# Altium PCB LST_UP.PcbDoc (part 4 of 5) (continued)
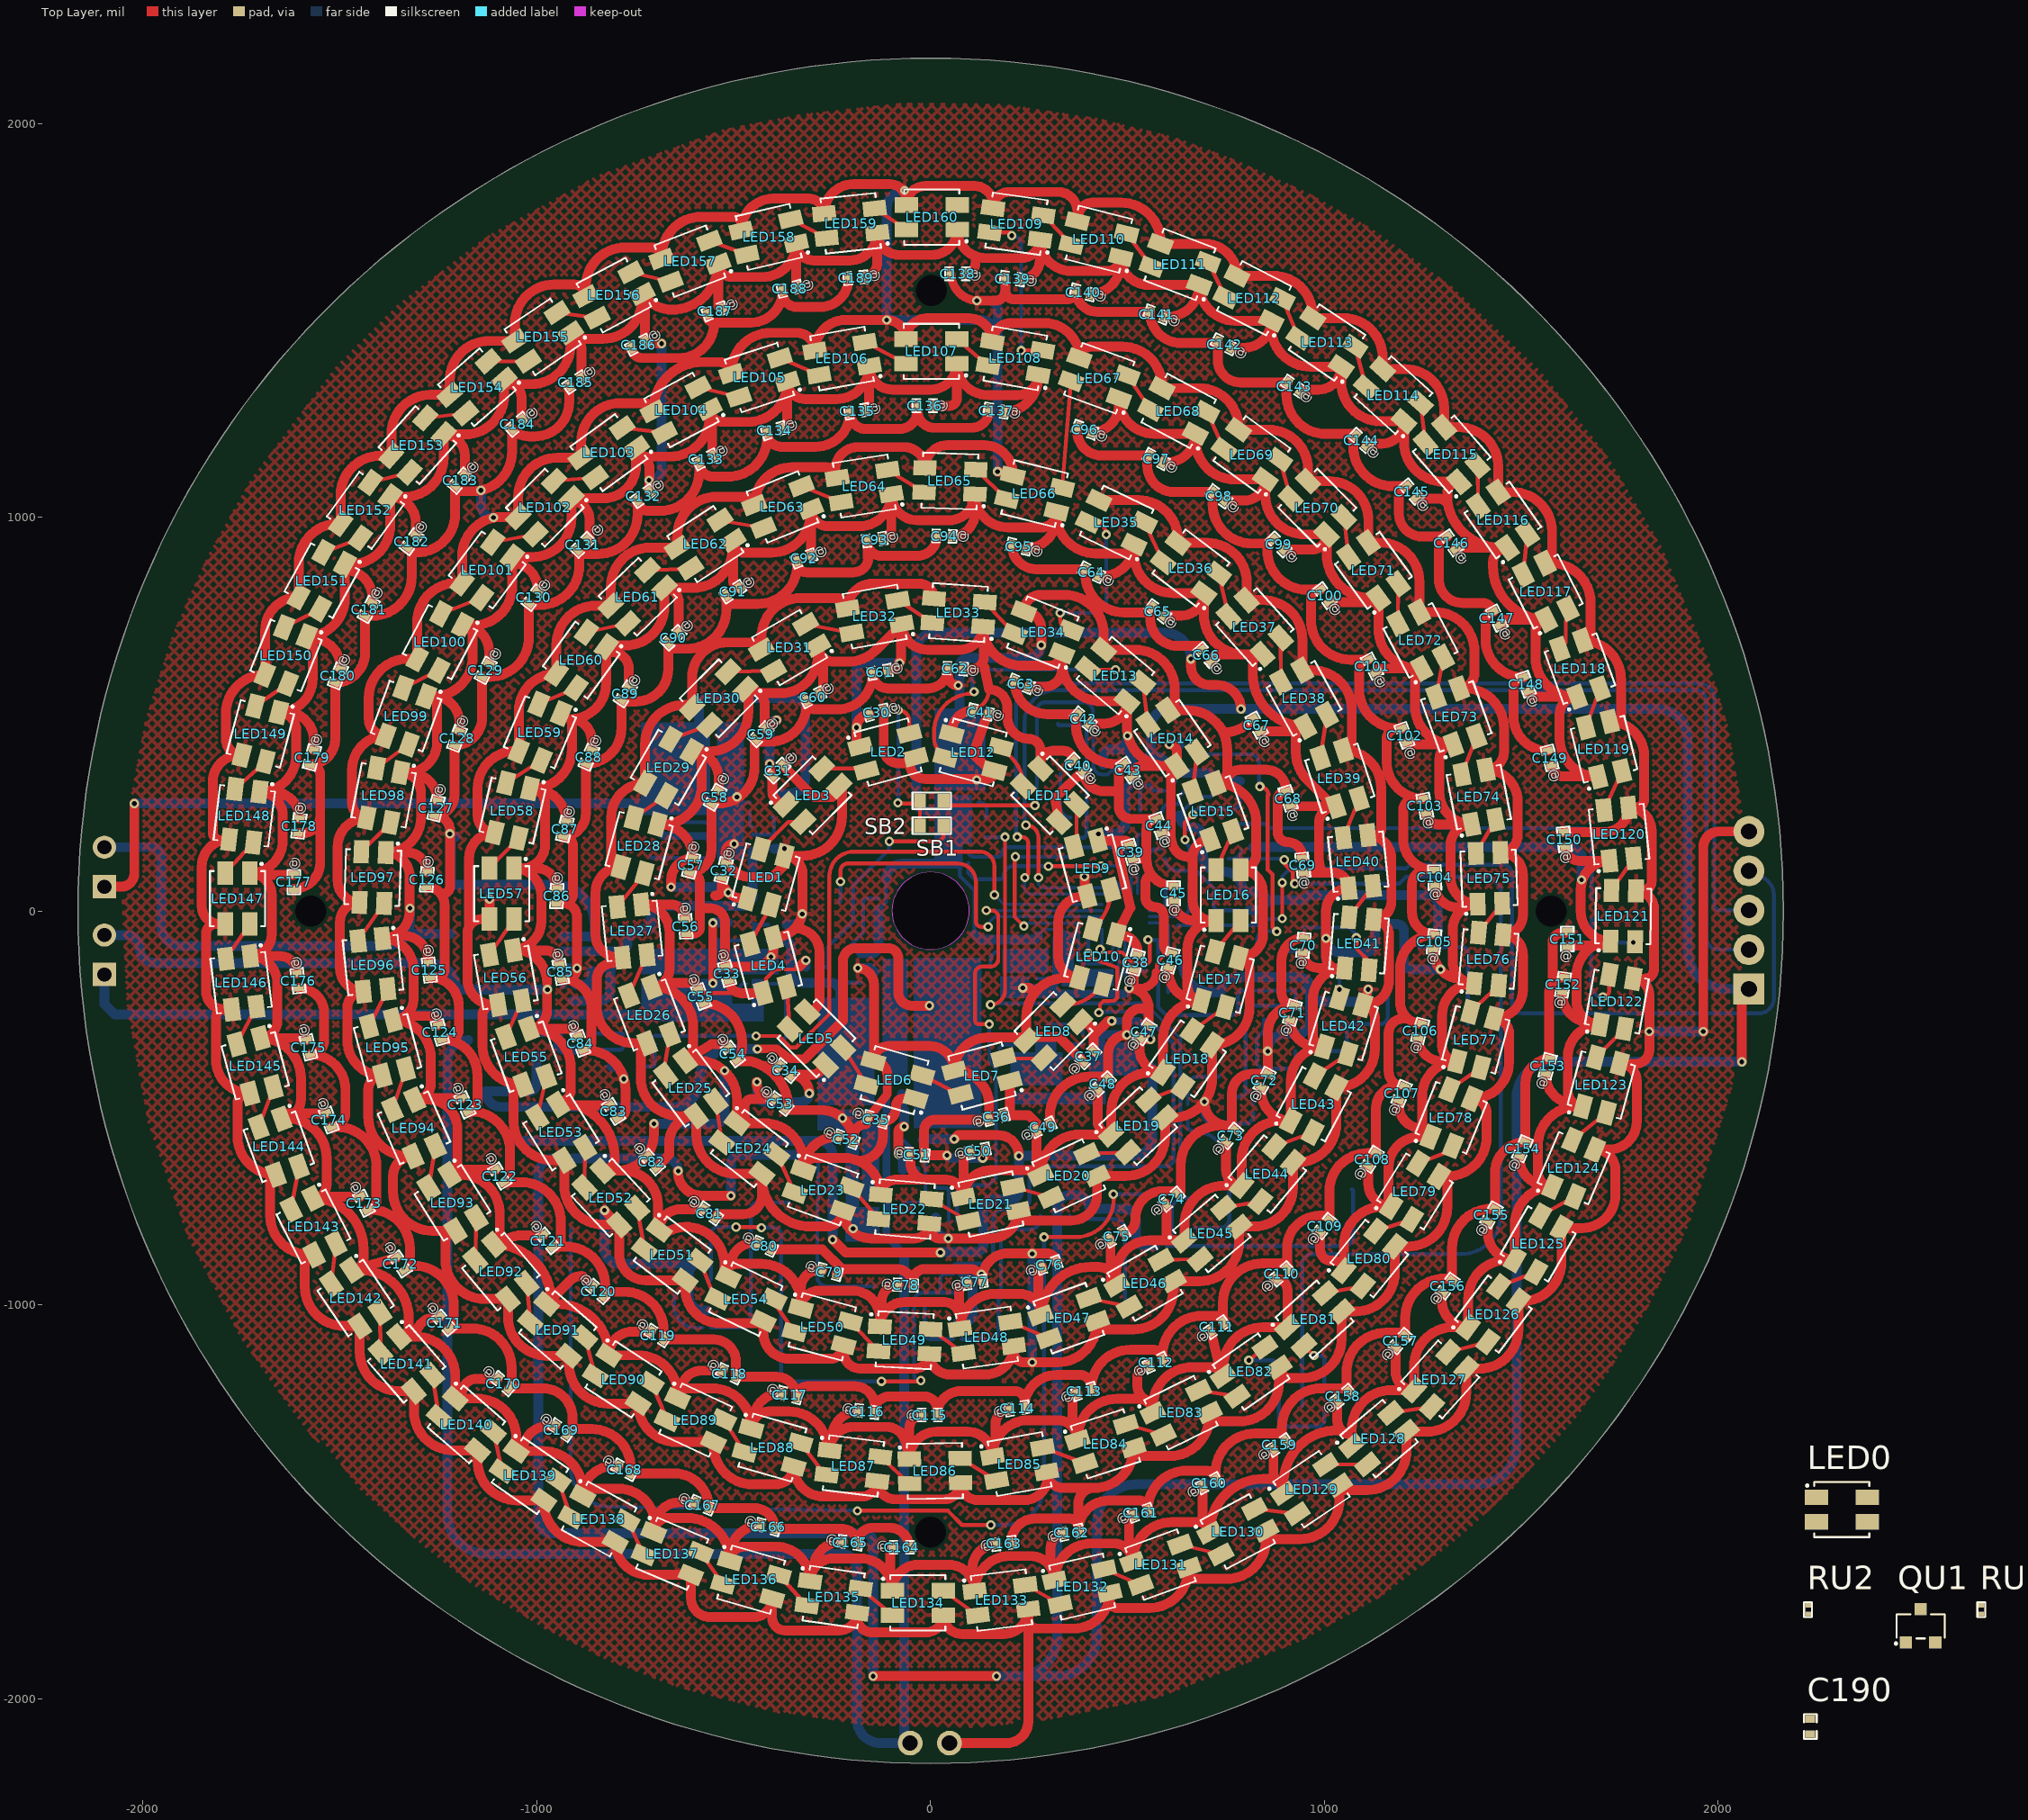
[diagram p0: Top Layer view]
## Nets (pads, with @x,y where several pads share a name; then routed paths per layer and width w, separated by ;. In a path a pad name is that pad's centre, name@x,y a point inside that pad or via, vN(x,y) a via of type N, cw(c..) or ccw(c..) an arc to the next point about the centre after c; other vN are vias at no path point) (continued)
  Bottom Layer w20: v1(460,-279) 528,-279 558.39,-309.39 v1(558.39,-325.61)
  Bottom Layer w25: SB6.2@-2098,-60.61 -2041,-60.61 cw(c-2041,-92.61) -2009,-92.61 ccw(c-1970,-92.61) -1970,-131.61 -1272,-131.61 cw(c-1272,-199.61) P1.1@-1204,-199.61 -973,-199.61 v2(-973,-199) ; v2(-702.59,-539.69) -546.69,-539.69 ccw(c-546.69,-516) -523,-516 v2(-523,-405) ; v1(-659,61.39) -528.39,61.39 v2(-514,47) ; v1(-441,-433.61) -441,-461.61 ccw(c-418,-461.61) -418,-484.61 -330,-484.61 ccw(c-330,-462.61) v1(-308,-462.61) ; v1(-409,374) -409,467.39 cw(c-391,467.39) v1(-391,485.39) ; R5.1@-316.83,-141.61 v1@-316.83,-130.17 ; v1(-188,466.47) -188,610.39 cw(c-168.11,610.39) -168.11,630.28 v1(-78.78,630.28) ; v1(426,196.39) 474,196.39 494,216.39 494,308.01 511.31,325.32 511.31,387.09 ccw(c487.01,387.09) 487.01,411.39 466,411.39 ccw(c466,445.39) v1(500,445.39) ; R1.1@438,372.39 438,389.39 ; 438,391.39 438,389.39 ; 460,411.39 ccw(c460,389.39) 438,389.39 ; v1(606,423.39) 634,423.39 ; v1(1004,-69.15) ccw(c1039.46,-69.15) 1039.46,-104.61 1103,-104.61 ccw(c1103,-79.61) 1128,-79.61 1128,-53.61 cw(c1149,-53.61) 1149,-32.61 1183,-32.61 cw(c1183,-51.61) 1202,-51.61 1202,-127.61 ccw(c1222,-127.61) 1222,-147.61 v1(1295,-147.61)
VCC_L2: C110.2 C111.2 C112.2 C113.2 C114.2 C115.2 C116.2 C117.2 C118.2 C119.2 C120.2 C121.2 C122.2 C123.2 C124.2 C125.2 C126.2 C127.2 C128.2 C129.2 C130.2 C131.2 C132.2 C133.2 C134.2 C135.2 C136.2 C137.2 C138.2 C139.2 C140.2 C141.2 C142.2 C143.2 C144.2 C145.2 C146.2 C147.2 C148.2 C149.2 C150.2 C151.2 C152.2 C153.2 C154.2 C155.2 C156.2 C157.2 C158.2 C159.2 C160.2 C161.2 C162.2 C163.2 C164.2 C165.2 C166.2 C167.2 C168.2 C169.2 C170.2 C171.2 C172.2 C173.2 C174.2 C175.2 C176.2 C177.2 C178.2 C179.2 C180.2 C181.2 C182.2 C183.2 C184.2 C185.2 C186.2 C187.2 C188.2 C189.2 LED81.1 LED82.1 LED83.1 LED84.1 LED85.1 LED86.1 LED87.1 LED88.1 LED89.1 LED90.1 LED91.1 LED92.1 LED93.1 LED94.1 LED95.1 LED96.1 LED97.1 LED98.1 LED99.1 LED100.1 LED101.1 LED102.1 LED103.1 LED104.1 LED105.1 LED106.1 LED107.1 LED108.1 LED109.1 LED110.1 LED111.1 LED112.1 LED113.1 LED114.1 LED115.1 LED116.1 LED117.1 LED118.1 LED119.1 LED120.1 LED121.1 LED122.1 LED123.1 LED124.1 LED125.1 LED126.1 LED127.1 LED128.1 LED129.1 LED130.1 LED131.1 LED132.1 LED133.1 LED134.1 LED135.1 LED136.1 LED137.1 LED138.1 LED139.1 LED140.1 LED141.1 LED142.1 LED143.1 LED144.1 LED145.1 LED146.1 LED147.1 LED148.1 LED149.1 LED150.1 LED151.1 LED152.1 LED153.1 LED154.1 LED155.1 LED156.1 LED157.1 LED158.1 LED159.1 LED160.1 P2.1 R7.1 R9.1 SB5.2 | length 32792.8
  Top Layer w25: LED149.1@-1655.25,504.71 cw(c-1655.25,460.46) -1611,460.46 -1611,395.95 cw(c-1704.26,395.95) LED148.1@-1704.26,302.68 ; C177.2@-1617,92.39 -1707.94,92.39 ; C176.2@-1608.51,-158.25 ccw(c-1653.02,-158.25) -1653.02,-113.73 LED146.1@-1728,-113.73 ; C178.2@-1601.75,234.75 ccw(c-1669.68,234.75) -1669.68,302.68 LED148.1@-1704.26,302.68 ; C175.2@-1584.16,-327.58 ccw(c-1589.55,-327.58) -1589.55,-322.19 LED145.1@-1701.67,-322.19 ; C179.2@-1566.21,408.26 -1566.21,434.79 ccw(c-1637.89,434.79) -1637.89,506.47 ccw(c-1655.25,590.95) -1569,590.95 -1569,682.63 ccw(c-1583.98,682.63) LED150.1@-1573.7,693.52 ; C174.2@-1534.33,-513.23 -1614.01,-513.23 ; C180.2@-1498.07,614.54 -1498.07,617.89 ccw(c-1573.7,617.89) LED150.1@-1573.7,693.52 ; C173.2@-1447.4,-725.13 LED143.1@-1552.13,-725.13 ; C181.2@-1418.03,782.57 -1418.03,796.93 ccw(c-1487.49,796.93) LED151.1@-1487.49,866.39 ; C172.2@-1357.08,-880.1 LED142.1@-1454.72,-907.34 ; v1@-1323.09,-0.42 cw(c-1391.82,-0.42) -1360.58,-61.64 ; v1@-1323.09,7.39 -1323.09,88.78 ccw(c-1383.31,88.78) LED97.1@-1383.31,149 ; C182.2@-1307.13,953.36 -1307.13,986.89 ccw(c-1372.1,986.89) LED152.1@-1372.1,1051.86 ; C126.2@-1278.03,98.86 ccw(c-1328.17,98.86) -1328.17,149 LED97.1@-1383.31,149 ; C125.2@-1275,-127.61 ccw(c-1340.97,-127.61) -1340.97,-61.64 -1360.58,-61.64 ; C127.2@-1251.84,279.42 ccw(c-1324.26,279.42) -1324.26,351.84 LED98.1@-1330.55,351.84 ; C124.2@-1250.93,-289.74 ccw(c-1274.53,-289.74) -1274.53,-266.13 -1334.71,-266.13 ; C171.2@-1247.14,-1031.63 -1258.35,-1031.63 ccw(c-1258.35,-1080.48) -1307.19,-1080.48 ; LED140.1@-1207.19,-1224.61 -1207.19,-1180.48 ccw(c-1307.19,-1180.48) -1307.19,-1080.48 ; C128.2@-1196.35,456.16 -1196.35,478.77 ccw(c-1263,478.77) LED99.1@-1263,545.42 ; LED140.1@-1190,-1237.66 -1152.05,-1237.66 cw(c-1152.05,-1337.66) -1052.05,-1337.66 LED139.1@-1052.05,-1371.1 LED139.1@-1035,-1371.1 ; -1190,-1224.61 cw(c-1152.86,-1224.61) -1152.86,-1187.47 C170.2@-1098.96,-1187.47 ; C123.2@-1190,-474.82 LED94.1@-1292.79,-474.82 ; C183.2@-1182.62,1107.14 -1182.62,1156.5 ccw(c-1236.68,1156.5) LED153.1@-1236.68,1210.56 ; C129.2@-1121.31,627.72 -1121.31,658.89 ccw(c-1188.23,658.89) LED100.1@-1188.23,725.8 ; LED92.1@-1110,-846.05 cw(c-1110,-993.28) LED91.1@-962.98,-985.45 ; C122.2@-1103.8,-656.82 -1203.39,-656.82 ; C184.2@-1039.04,1248.53 -1039.04,1305.45 ccw(c-1071.98,1305.45) LED154.1@-1071.98,1338.39 ; C130.2@-997.87,819.01 ccw(c-1062.3,819.01) LED101.1@-1062.3,883.45 ; C121.2@-983.78,-823.27 -1039,-823.27 ccw(c-1039,-901.05) -1094,-846.05 -1094,-769.37 ccw(c-1194,-769.37) -1194,-669.37 LED93.1@-1221.84,-669.37 cw(c-1209.29,-669.37) -1209.29,-656.82 -1203.39,-656.82 ; LED91.1@-975.19,-997.66 LED91.1@-962.98,-985.45 ; C169.2@-953.15,-1307 -970.9,-1307 ccw(c-970.9,-1371.1) LED139.1@-1035,-1371.1 ; LED91.1@-947.48,-997.66 cw(c-947.48,-1127.93) LED90.1@-817.21,-1127.93 ; LED102.1@-912.01,1048.4 -831.19,1048.4 ccw(c-831.19,1131.59) -748,1131.59 LED103.1@-748,1158.39 ; -899,1453.39 -832.39,1453.39 ccw(c-832.39,1553.39) -732.39,1553.39 LED156.1@-732.39,1567.24 cw(c-732.39,1560.52) LED156.1@-725.67,1560.52 ; C185.2@-886.66,1353.73 -886.66,1425.97 ccw(c-914.08,1425.97) -914.08,1453.39 -914.08,1438.39 cw(c-1014.08,1438.39) -1014.08,1338.39 LED154.1@-1071.98,1338.39 ; C131.2@-866,946.39 -866,995.08 ccw(c-912.01,995.08) -912.01,1041.09 -912.01,999.24 cw(c-1012.01,999.24) -1012.01,899.24 LED101.1@-1062.3,899.24 LED101.1@-1062.3,883.45 ; C120.2@-861.91,-948.52 -881.58,-928.86 ccw(c-887,-934.28) -887,-926.61 ccw(c-887,-967.98) -916.25,-938.73 LED91.1@-962.98,-985.45 ; C168.2@-793.18,-1409.64 -807.93,-1409.64 ccw(c-807.93,-1485.11) LED138.1@-883.39,-1485.11 ; -757.81,-1067.53 C119.2@-709.52,-1067.53 ; -756.81,-1067.53 ccw(c-756.81,-1127.93) LED90.1@-817.21,-1127.93 ; C132.2@-714.03,1065.26 -714.03,1124.42 ccw(c-748,1124.42) LED103.1@-748,1158.39 ; v1(-683,1441.39) -719.98,1441.39 cw(c-719.98,1447.07) C186.2@-725.67,1447.07 LED156.1@-725.67,1560.52 ; C167.2@-597.03,-1501.38 -638.92,-1501.38 ccw(c-638.92,-1562.43) LED137.1@-699.98,-1562.43 ; C133.2@-554.52,1155.79 -554.52,1255.13 ; C187.2@-530.73,1530.02 cw(c-530.73,1538.87) -539.58,1538.87 LED157.1@-539.58,1644.49 ; C118.2@-527.77,-1166.79 -582.33,-1166.79 ccw(c-582.33,-1217.02) -632.56,-1217.02 ; C166.2@-430.78,-1558.51 ccw(c-430.78,-1637.22) -509.49,-1637.22 LED136.1@-509.49,-1649.92 ; C134.2@-379.74,1226.11 ccw(c-379.74,1242.07) -363.78,1242.07 LED105.1@-363.78,1342.39 ; C117.2@-375.78,-1223.51 -379.19,-1223.51 ccw(c-379.19,-1294.78) -450.47,-1294.78 ; C188.2@-339.7,1584.87 cw(c-339.7,1586.26) -341.09,1586.26 LED158.1@-341.09,1696.61 ; LED87.1@-260.42,-1369.87 ccw(c-359.68,-1369.87) -359.68,-1270.61 -411.23,-1270.61 ccw(c-411.23,-1314.54) -450.47,-1294.78 ; LED87.1@-256.3,-1369.87 cw(c-196.03,-1369.87) -250.36,-1343.8 ; C165.2@-222.9,-1601.04 -226.13,-1601.04 ccw(c-226.13,-1673.01) -298.1,-1673.01 ; C116.2@-180.36,-1268.36 ccw(c-180.36,-1338.36) -250.36,-1338.36 -250.36,-1343.8 ; C189.2@-171.6,1610.32 ccw(c-171.6,1646.39) -135.54,1646.39 LED159.1@-135.54,1722.71 ; C135.2@-168.78,1272.6 ccw(c-168.78,1285.37) -156.01,1285.37 LED106.1@-156.01,1383.97 ; C164.2@-91.5,-1615.61 ccw(c-91.5,-1626.31) -102.2,-1626.31 -102.2,-1697.06 ; C115.2@-20.5,-1279.61 ccw(c-20.5,-1313.21) -54.1,-1313.21 LED86.1@-54.1,-1391.64 ; C136.2@3.5,1283.39 48.13,1283.39 ccw(c48.13,1301.82) 66.57,1301.82 LED107.1@66.57,1390.29 ; C138.2@86.5,1618.39 ccw(c86.5,1645.89) 114,1645.89 114,1659.39 ; C163.2@167.64,-1607.87 ccw(c167.64,-1669.49) 106.01,-1669.49 106.01,-1698.65 ; C137.2@185,1267.54 ccw(c185,1355.72) 273.19,1355.72 LED108.1@273.19,1362.55 cw(c221.03,1362.55) 221.03,1310.39 146.46,1310.39 cw(c146.46,1390.29) LED107.1@66.57,1390.29 ; C114.2@201.78,-1265.82 ccw(c201.78,-1303.05) 164.55,-1303.05 164.55,-1348.3 ; C139.2@226.32,1603.81 ccw(c226.32,1655.1) 277.61,1655.1 LED109.1@277.61,1705.6 ; C162.2@338.97,-1581.91 ccw(c338.97,-1616.25) 304.64,-1616.25 304.64,-1665.18 ; C113.2@372.41,-1225.33 ccw(c372.41,-1237.69) 360.04,-1237.69 360.04,-1309.27 ; C140.2@404.95,1566.91 ccw(c404.95,1644.69) 482.73,1644.69 LED110.1@482.73,1660.59 ; C161.2@516.62,-1533.94 ccw(c516.62,-1546.76) 503.8,-1546.76 503.8,-1625.19 ; C112.2@555.37,-1154.72 ccw(c555.37,-1185.09) 525,-1185.09 525,-1205.39 ccw(c565.12,-1205.39) 565.12,-1245.51 ; C141.2@591.27,1508.76 600.68,1508.76 ccw(c600.68,1590.21) LED111.1@682.13,1590.21 ; C160.2@690.67,-1461.3 690.67,-1550.8 ccw(c695.22,-1550.8) 691.6,-1553.57 ; C111.2@711.85,-1066.82 LED82.1@736.92,-1170.62 ; C142.2@770,1430.99 796.6,1430.99 ccw(c796.6,1499.39) LED112.1@865,1499.39 ; C159.2@870.66,-1365.96 870.66,-1427.56 ccw(c896.29,-1427.56) 896.29,-1453.19 ; C110.2@877.5,-933.37 cw(c877.5,-962.07) 906.21,-962.07 LED81.1@906.21,-1056.7 843.27,-1056.7 ccw(c843.27,-1156.7) 743.27,-1156.7 739.47,-1156.7 739.47,-1181.17 LED82.1@736.92,-1170.62 ; C143.2@943.9,1324.04 984.19,1324.04 ccw(c984.19,1382.5) LED113.1@1042.64,1382.5 ; 1032.83,-1293.89 C158.2@1032.83,-1244.5 ; 1032.83,-1292.89 ccw(c1069.55,-1292.89) 1047.94,-1322.58 ; C144.2@1106.75,1187.01 1145.11,1187.01 ccw(c1145.11,1244.07) LED114.1@1202.17,1244.07 ; C157.2@1180.62,-1105.36 1180.62,-1169.29 ccw(c1227.68,-1169.29) LED127.1@1227.68,-1216.36 ; C145.2@1233.14,1047.73 1288.29,1047.73 cw(c1288.29,1018.7) 1312,1035.46 cw(c1288.29,1018.7) 1313.72,1032.72 ; C156.2@1297.87,-971.61 1297.87,-988.77 ccw(c1365.3,-988.77) LED126.1@1365.3,-1056.21 ; C146.2@1332.61,919.5 cw(c1335.77,919.5) 1335.77,922.66 LED116.1@1448.23,922.66 ; 1414.75,-817.53 C155.2@1414.75,-788.63 ; 1414.75,-816.53 ccw(c1483.56,-816.53) LED125.1@1483.56,-885.34 ; C147.2@1446,727.39 1458.76,740.15 LED117.1@1563.57,740.15 ; C154.2@1495.77,-629.12 C154.2@1495.77,-621.64 ; C154.2@1495.77,-628.12 ccw(c1564.56,-628.12) LED124.1@1564.56,-696.91 ; C148.2@1518.33,559.01 ccw(c1532.91,559.01) 1532.91,544.42 LED118.1@1636,544.42 ; C153.2@1562.21,-411.48 1562.21,-416.74 ccw(c1634.87,-416.74) 1634.87,-489.39 ; C149.2@1576.48,371.23 ccw(c1605.6,371.23) 1605.6,342.11 LED119.1@1682.23,342.11 ; C152.2@1603.43,-209.39 C152.2@1603.43,-205.93 ; C152.2@1603.43,-208.39 ccw(c1678.7,-208.39) 1678.7,-283.67 ; C150.2@1610.93,163.99 ccw(c1647,163.99) 1647,127.93 LED120.1@1723.82,127.93 ccw(c1723.82,55.11) 1651,55.11 1651,-0.85 ccw(c1726.78,-0.85) LED121.1@1726.78,-76.62 cw(c1717.01,-76.62) 1717.01,-86.39 1686.78,-86.39 ccw(c1726.78,-163.4) 1640,-163.4 1640,-227.07 ccw(c1700.74,-227.07) 1678.7,-283.67 ; C151.2@1618,-87.39 1688.78,-87.39 ; LED119.1@1695.44,341.22 cw(c1695.44,439.28) LED119.1@1682.23,342.11 ; LED146.1@-1728,-113.73 cw(c-1728,-182.73) -1659,-182.73 -1659,-279.53 cw(c-1701.67,-279.53) LED145.1@-1701.67,-322.19 ; LED146.1@-1728,-113.73 ccw(c-1728,-58.74) -1673,-58.74 -1673,40.57 ccw(c-1728.9,40.57) -1707.94,92.39 ; -1707.94,92.39 -1724.82,92.39 cw(c-1724.82,96.47) LED147.1@-1728.9,96.47 ccw(c-1728.9,180.37) -1645,180.37 -1645,243.42 ccw(c-1704.26,243.42) LED148.1@-1704.26,302.68 ; LED145.1@-1701.67,-322.19 cw(c-1701.67,-424.86) -1599,-424.86 -1599,-477.99 cw(c-1647.86,-477.99) -1614.01,-513.23 ; -1614.01,-513.23 -1634.24,-513.23 ccw(c-1634.24,-526.85) LED144.1@-1647.86,-526.85 -1633.87,-526.85 cw(c-1633.87,-626.85) -1533.87,-626.85 -1533.87,-694.56 cw(c-1568.6,-694.56) LED143.1@-1552.13,-725.13 ; LED150.1@-1573.7,693.52 ccw(c-1583.98,682.63) LED150.1@-1583.98,697.6 ccw(c-1583.98,794.08) -1487.49,794.08 LED151.1@-1487.49,866.39 ; LED143.1@-1552.13,-725.13 -1564.44,-725.13 ccw(c-1564.44,-729.28) LED143.1@-1568.6,-729.28 cw(c-1568.6,-857.7) -1440.18,-857.7 -1440.18,-881.55 cw(c-1470.32,-881.55) LED142.1@-1454.72,-907.34 ; LED151.1@-1487.49,866.39 LED151.1@-1487.49,880.78 -1472.1,880.78 ccw(c-1472.1,980.78) -1372.1,980.78 LED152.1@-1372.1,1051.86 ; LED142.1@-1454.72,-907.34 LED142.1@-1470.32,-911.69 -1447.78,-911.69 cw(c-1447.78,-1034.47) -1325,-1034.47 -1325,-1055.59 cw(c-1349.89,-1055.59) LED141.1@-1349.89,-1080.48 -1307.19,-1080.48 ; LED97.1@-1383.31,149 ccw(c-1383.31,238.31) -1294,238.31 -1294,299.69 ccw(c-1346.15,299.69) LED98.1@-1346.15,351.84 LED98.1@-1330.55,351.84 ; LED152.1@-1372.1,1051.86 -1336.68,1051.86 ccw(c-1336.68,1151.86) -1236.68,1151.86 LED153.1@-1236.68,1210.56 ; -1360.58,-61.64 cw(c-1391.82,-0.42) LED96.1@-1391.82,-69.15 cw(c-1391.82,-147.96) -1313,-147.96 -1313,-223.53 cw(c-1365.67,-223.53) -1334.71,-266.13 ; -1334.71,-266.13 cw(c-1365.67,-223.53) LED95.1@-1365.67,-276.19 cw(c-1365.67,-372.86) -1269,-372.86 -1269,-437.61 cw(c-1310,-437.61) LED94.1@-1292.79,-474.82 ; LED98.1@-1330.55,351.84 ccw(c-1330.55,429.39) -1253,429.39 -1253,517.73 ccw(c-1280.69,517.73) LED99.1@-1280.69,545.42 LED99.1@-1263,545.42 ; LED94.1@-1292.79,-474.82 -1306.21,-474.82 ccw(c-1306.21,-478.61) LED94.1@-1310,-478.61 -1275,-478.61 cw(c-1275,-551.61) -1229.66,-494.4 cw(c-1275,-551.61) -1202,-551.61 -1202,-649.53 cw(c-1221.84,-649.53) -1203.39,-656.82 ; LED99.1@-1263,545.42 ccw(c-1263,645.42) -1163,645.42 -1163,700.57 ccw(c-1188.23,700.57) LED100.1@-1188.23,725.8 ; LED153.1@-1236.68,1210.56 -1182.87,1210.56 ccw(c-1182.87,1310.56) -1082.87,1310.56 LED154.1@-1082.87,1349.28 ccw(c-1071.98,1349.28) LED154.1@-1071.98,1338.39 ; LED100.1@-1188.23,725.8 -1162.3,725.8 ccw(c-1162.3,825.8) -1062.3,825.8 LED101.1@-1062.3,883.45 ; LED139.1@-1035,-1371.1 -983.39,-1371.1 cw(c-983.39,-1471.1) -883.39,-1471.1 LED138.1@-883.39,-1485.11 ; LED138.1@-883.39,-1485.11 cw(c-864.9,-1485.11) -864.9,-1466.61 -793,-1466.61 cw(c-793,-1559.64) -699.98,-1559.64 LED137.1@-699.98,-1562.43 ; LED90.1@-817.21,-1127.93 -742.37,-1127.93 cw(c-742.37,-1227.93) -642.37,-1227.93 LED89.1@-642.37,-1237.13 cw(c-616.85,-1237.13) -632.56,-1217.02 ; LED103.1@-748,1158.39 -748,1175.66 cw(c-746.48,1175.66) LED103.1@-746.48,1177.18 ccw(c-723.69,1177.18) -723.69,1154.39 -661.39,1154.39 ccw(c-661.39,1254.39) -561.39,1254.39 LED104.1@-561.39,1275.24 cw(c-561.39,1268.37) -554.52,1268.37 -554.52,1255.13 ; LED156.1@-725.67,1560.52 -717.9,1552.75 ccw(c-656.68,1613.97) -656.68,1527.39 ccw(c-656.68,1644.49) LED157.1@-539.58,1644.49 ; LED137.1@-699.98,-1562.43 cw(c-666.14,-1577.75) -666.14,-1540.61 -618.8,-1540.61 cw(c-618.8,-1649.92) LED136.1@-509.49,-1649.92 ; -632.56,-1217.02 cw(c-616.85,-1237.13) -616.85,-1211.61 -555.16,-1211.61 cw(c-555.16,-1311.61) -455.16,-1311.61 LED88.1@-455.16,-1314.54 cw(c-411.23,-1314.54) -450.47,-1294.78 ; -554.52,1255.13 ccw(c-528.54,1275.24) -528.54,1242.39 -463.78,1242.39 ccw(c-463.78,1342.39) LED105.1@-363.78,1342.39 ; LED157.1@-539.58,1644.49 ccw(c-505.47,1644.49) -505.47,1610.39 -427.31,1610.39 ccw(c-427.31,1696.61) LED158.1@-341.09,1696.61 ; LED136.1@-509.49,-1649.92 cw(c-473.19,-1649.92) -473.19,-1613.61 -393.95,-1613.61 cw(c-393.95,-1701.82) LED135.1@-305.73,-1701.82 cw(c-247.52,-1701.82) -298.1,-1673.01 ; LED105.1@-363.78,1342.39 LED105.1@-363.78,1345.54 ccw(c-318.63,1345.54) -318.63,1300.39 -239.6,1300.39 ccw(c-239.6,1383.97) LED106.1@-156.01,1383.97 ; LED158.1@-341.09,1696.61 ccw(c-296.87,1696.61) -296.87,1652.39 -205.85,1652.39 ccw(c-205.85,1722.71) LED159.1@-135.54,1722.71 ; -298.1,-1673.01 cw(c-247.52,-1701.82) -247.52,-1643.61 -178.93,-1643.61 cw(c-178.93,-1725.41) -102.2,-1697.06 ; -250.36,-1343.8 cw(c-196.03,-1369.87) -233.42,-1322.61 cw(c-196.03,-1369.87) -196.03,-1309.61 -112.56,-1309.61 cw(c-112.56,-1360.8) -61.37,-1360.8 cw(c-123.13,-1391.64) LED86.1@-54.1,-1391.64 ; LED106.1@-156.01,1383.97 ccw(c-96.43,1383.97) -96.43,1324.39 0.67,1324.39 ccw(c0.67,1390.29) LED107.1@66.57,1390.29 ; LED159.1@-135.54,1722.71 ccw(c-79.22,1722.71) -79.22,1666.39 2.67,1666.39 ccw(c2.67,1731.29) LED160.1@67.57,1731.29 ccw(c140.46,1731.29) 140.46,1658.39 230.4,1658.39 ccw(c230.4,1705.6) LED109.1@277.61,1705.6 ; -102.2,-1697.06 cw(c-178.93,-1725.41) LED134.1@-97.13,-1725.41 cw(c-31.34,-1725.41) -31.34,-1659.61 45.13,-1659.61 cw(c45.13,-1726.61) 106.01,-1698.65 ; LED86.1@-54.1,-1391.64 cw(c15.93,-1391.64) 15.93,-1321.61 93.86,-1321.61 cw(c93.86,-1384.78) LED85.1@157.03,-1384.78 cw(c249.19,-1384.78) 164.55,-1348.3 ; 106.01,-1698.65 cw(c45.13,-1726.61) LED133.1@112.12,-1726.61 cw(c201.12,-1726.61) 201.12,-1637.61 253.26,-1637.61 cw(c253.26,-1699.27) 304.64,-1665.18 ; 164.55,-1348.3 cw(c249.19,-1384.78) 249.19,-1292.61 322.61,-1292.61 cw(c322.61,-1342.98) 360.04,-1309.27 ; LED109.1@277.61,1705.6 ccw(c357.82,1705.6) 357.82,1625.39 447.53,1625.39 ccw(c447.53,1660.59) LED110.1@482.73,1660.59 ; 304.64,-1665.18 cw(c253.26,-1699.27) LED132.1@314.92,-1699.27 cw(c408.58,-1699.27) 408.58,-1605.61 465.7,-1605.61 cw(c465.7,-1652.47) 503.8,-1625.19 ; 360.04,-1309.27 cw(c322.61,-1342.98) LED84.1@372.98,-1342.98 372.98,-1338.61 cw(c472.98,-1338.61) 472.98,-1238.61 528.98,-1238.61 cw(c528.98,-1273.96) LED83.1@564.33,-1273.96 564.33,-1258.05 cw(c664.33,-1258.05) 564.34,-1256.7 cw(c664.33,-1258.05) 565.12,-1245.51 ; LED110.1@482.73,1660.59 ccw(c553.1,1660.59) 553.1,1590.21 LED111.1@682.13,1590.21 ; 503.8,-1625.19 cw(c465.7,-1652.47) LED131.1@512.55,-1651.61 ; LED131.1@512.55,-1651.61 cw(c465.7,-1652.47) LED131.1@512.56,-1652.47 LED131.1@512.56,-1651.61 ; LED131.1@512.56,-1651.61 cw(c612.56,-1651.61) 612.56,-1551.61 681.54,-1551.61 cw(c681.54,-1578.46) 691.6,-1553.57 ; 565.12,-1245.51 cw(c664.33,-1258.05) 664.33,-1158.05 716.35,-1158.05 cw(c716.35,-1181.17) LED82.1@736.92,-1170.62 ; LED111.1@682.13,1590.21 ccw(c772.96,1590.21) 772.96,1499.39 LED112.1@865,1499.39 ; 691.6,-1553.57 ccw(c695.22,-1550.8) 695.22,-1555.36 cw(c681.54,-1578.46) LED130.1@708.39,-1578.46 cw(c845.24,-1578.46) 845.24,-1441.61 859.65,-1441.61 cw(c859.65,-1478.25) LED129.1@896.29,-1478.25 896.29,-1453.19 ; LED112.1@865,1499.39 865,1482.5 ccw(c965,1482.5) 965,1382.5 LED113.1@1042.64,1382.5 ; 896.29,-1453.19 cw(c1030.87,-1453.19) 1030.87,-1318.61 cw(c1030.87,-1357.29) 1047.94,-1322.58 ; LED113.1@1042.64,1382.5 1042.64,1344.07 ccw(c1142.64,1344.07) 1142.64,1244.07 LED114.1@1202.17,1244.07 ; 1047.94,-1322.58 ccw(c1069.55,-1292.89) 1053.48,-1325.91 ccw(c1069.55,-1292.89) 1069.55,-1329.61 1069.55,-1316.36 cw(c1169.55,-1316.36) 1169.55,-1216.36 LED127.1@1227.68,-1216.36 ; LED114.1@1202.17,1244.07 1202.17,1190.78 ccw(c1302.17,1190.78) 1302.17,1090.78 LED115.1@1341.89,1090.78 ccw(c1341.89,1060.89) 1312,1060.89 1312,1043.36 ccw(c1448.23,1059.89) 1313.72,1032.72 ; LED127.1@1227.68,-1216.36 1227.68,-1156.21 cw(c1327.68,-1156.21) 1327.68,-1056.21 LED126.1@1365.3,-1056.21 ; 1313.72,1032.72 ccw(c1448.23,1059.89) LED116.1@1448.23,922.66 ; LED126.1@1365.3,-1056.21 1365.3,-985.34 cw(c1465.3,-985.34) 1465.3,-885.34 LED125.1@1483.56,-885.34 ; LED116.1@1448.23,922.66 LED116.1@1464.56,922.66 ccw(c1464.56,886.1) 1428,886.1 1428,875.72 ccw(c1563.57,875.72) LED117.1@1563.57,740.15 ; LED125.1@1483.56,-885.34 1483.56,-795.47 cw(c1579.14,-795.47) LED124.1@1579.14,-699.89 cw(c1579.14,-662.75) LED124.1@1564.57,-696.91 ; LED117.1@1563.57,740.15 ccw(c1563.57,712.57) 1536,712.57 1536,644.42 ccw(c1636,644.42) LED118.1@1636,544.42 ; LED124.1@1564.57,-696.91 cw(c1579.14,-662.75) 1542,-662.75 1542,-595.93 cw(c1642,-595.93) 1642,-495.93 LED123.1@1656.25,-495.93 cw(c1656.25,-457.68) 1634.87,-489.39 ; 1634.87,-489.39 cw(c1656.25,-457.68) 1618,-457.68 1618,-370.55 cw(c1700.74,-370.55) LED122.1@1700.74,-287.81 cw(c1700.74,-227.07) 1678.7,-283.67 ; LED118.1@1636,544.42 LED118.1@1641.55,544.42 ccw(c1641.55,500.26) 1597.38,500.26 1597.38,439.28 ccw(c1695.44,439.28) LED119.1@1682.23,342.11
  Bottom Layer w10: 825,170.74 R9.1@825,200.56
  Bottom Layer w25: SB5.2@-2098,162.39 -1978,162.39 cw(c-1978,138.39) -1954,138.39 -1954,-39 ccw(c-1905,-39) -1905,-88 -1383.39,-88 ccw(c-1383.39,-26.61) -1330.4,-57.61 ; v1(-1322,7.39) -1322,-26.61 cw(c-1383.39,-26.61) -1330.4,-57.61 ; P2.1@-1219,-57.61 -1330.4,-57.61 ; v1(-715,1094.39) cw(c-713,1094.39) -713,1096.39 -708,1096.39 ccw(c-708,1121.39) -683,1121.39 v1(-683,1441.39) ; 818,161.39 819.31,162.7 1633.69,162.7 1653,143.39 v1(1653,79.39)
VDD: C9.2 C10.2 C12.2 C13.2 C26.2 C27.2 J1.1 L3.1 L8.1 L10.1 L11.1 L12.1 L13.1 P5.1 Q1.1 Q2.1 Q3.1 Q4.1 Q5.1 QU1.1 R2.1 R4.1 R6.1 R8.1 R10.1 R21.2 R22.2 RU2.1 U4.1 U4.2 U4.4 | length 14322.2
  Top Layer w25: v1(-641,-659.61) ccw(c-641,-660.61) -642,-660.61 ccw(c-580,-660.61) -580,-722.61 v1(-507,-722.61) ; v1(-146,-1942.61) v1(167,-1942.61) ; v1(661,640.39) 661,622.39 ccw(c709,622.39) 709,574.39 727,574.39 cw(c727,513.39) v1(788,513.39) ; v1(2060,-382.61) 2060,-215.61 cw(c2078,-215.61) J1.1@2078,-197.61
  Bottom Layer w8: 279,-55.61 288.38,-46.23 300,-46.23 333.2,-45.61 C13.2@354.23,-66.64
  Bottom Layer w10: -132,4 -113,23 -113,80.39 ; R21.2@73.99,122.89 73.99,89.98 111.19,52.79 111.19,-58.19 ; U4.4@337,-186.36 U4.4@339,-186.36 385.75,-186.36 ; C13.2@354.23,-68.61 C13.2@354.23,-66.64 ; 638.23,252.07 676.28,290.12 710.06,290.12 Q2.1@734.8,314.87 ; Q5.1@691.68,184.49 Q5.1@691.68,188.39
  Bottom Layer w25: v1(-641,-659.61) ccw(c-673,-659.61) -673,-627.61 -956,-627.61 ccw(c-956,-667.61) -996,-667.61 P5.1@-996,-700.61 -996,-1547.58 ccw(c-963.58,-1547.58) -963.58,-1580 -168,-1580 cw(c-168,-1602) -146,-1602 v1(-146,-1942.61) ; v1(-507,-722.61) -507,-640 cw(c-486,-640) -486,-619 L12.1@-311,-619 ; Q3.1@-176.68,-107.2 -143.59,-107.2 -132,-95.61 -132,4 ; -113,80.39 cw(c-73,80.39) -73,120.39 25,120.39 ; 40,254.39 -9,254.39 cw(c-9,281.39) -36,281.39 -36,661.39 cw(c10,661.39) 10,707.39 594,707.39 cw(c594,640.39) v1(661,640.39) ; 111.19,-58.19 125,-72 264,-72 273,-63 ; v1(167,-1942.61) 221.16,-1942.61 ; 569,-850.61 546,-850.61 cw(c546,-825.61) 521,-825.61 521,-783.26 ccw(c493.35,-783.26) 493.35,-755.61 403.46,-755.61 ccw(c368.46,-755.61) 368.46,-720.61 354.45,-720.61 ccw(c354.45,-753.9) 321.16,-753.9 321.16,-1842.61 cw(c221.16,-1842.61) 221.16,-1942.61 ; R2.1@614,331.29 614,339.02 ; 614,342.02 614,339.02 ; 630.6,243.39 ccw(c667.68,250.07) 667.68,212.39 cw(c667.68,188.39) 680.83,208.46 cw(c667.68,188.39) Q5.1@691.68,188.39 ; Q5.1@691.68,184.49 691.68,140.62 ccw(c731.32,140.62) 731.32,100.97 741.01,100.97 cw(c741.01,48.57) Q4.1@793.41,48.57 837.46,48.57 858.39,27.64 ; Q2.1@734.8,314.87 ccw(c698.63,314.87) 698.63,351.04 612.72,351.04 ; Q2.1@736,330.44 R10.1@785,330.44 ; R8.1@808.85,2.39 833.13,2.39 858.39,27.64 ; 1288.26,-62.34 1288.26,24.74 1272.62,40.38 960.38,40.38 947.64,27.64 858.39,27.64 ; v1(2060,-382.61) 1579,-382.61 ccw(c1579,-473.61) 1488,-473.61 1488,-1355.61 cw(c1388,-1355.61) 1388,-1455.61 522,-1455.61 ccw(c522,-1555.61) 422,-1555.61 422,-1842.61 cw(c322,-1842.61) 322,-1942.61 221.16,-1942.61 ; J1.1@2078,-197.61 2022,-197.61 cw(c2022,-97.61) 1922,-97.61 1922,439.39 ccw(c1848,439.39) 1848,513.39 v1(788,513.39) 606,513.39 ccw(c606,466.39) 559,466.39 559,398.02 cw(c557,398.02) Q1.1@557,396.02 cw(c557,339.02) 612.72,351.04 ; 612.72,351.04 cw(c557,339.02) 614,339.02
VIN: C17.1 C18.1 C19.1 L2.2 L6.2 U2.9 U2.10 | length 388.9
  Bottom Layer w25: U2.9@-407.15,-74.1 U2.10@-389,-74.1 -372.9,-74.1 cw(c-372.9,-92) -355,-92 -355,-153 ccw(c-326,-153) -326,-182 -254.39,-182 cw(c-254.39,-207.39) -229,-207.39 -229,-248 ; -254,-309 -228.9,-334.1 L2.2@-196.48,-334.1
pads on no net: D1.3 D2.3 D3.3 D4.3 LED160.2 U1.8 U2.8 U3.20 U4.3

## Polygon pours and split planes (outlines as drawn)
GND on Bottom Layer "Polygonpour2" (hatched 45Degree grid 20 track 8, remove dead copper, pour order 8): -377.67,-2026.39 -631.31,-1961.39 -810.31,-1893.39 -972.31,-1811.39 -1166.31,-1692.39 -1305.31,-1580.39 -1441.31,-1456.39 -1553.31,-1311.39 -1544.31,-1348.39 -1616.31,-1253.39 -1741.06,-1076.39 -1876.31,-819.39 -1977.31,-528.39 -2030.31,-234.39 -2043.31,27.56 -2030.31,244.61 -1985.31,485.61 -1912.31,714.61 -1825.31,909.61 -1713.31,1106.61 -1500.31,1388.61 -1342.31,1546.61 -1118.31,1718.61 -838.71,1872.61 -516.31,1990.61 -326.31,2027.61 -65.32,2057.61 187.69,2054.61 435.69,2017.61 625.69,1970.61 776.69,1914.61 966.69,1828.61 1122.69,1740.61 1327.69,1593.61 1555.69,1375.61 1725.69,1158.61 1861.69,930.61 1978.69,648.59 2029.69,476.61 2060.69,297.8 2076.69,181.61 2083.69,-27.39 2070.69,-230.39 2040.69,-439.39 1930.69,-787.39 1828.69,-993.39 1732.69,-1152.39 1644.1,-1277.39 1479.69,-1462.39 1340.69,-1586.39 1147.69,-1732.39 950.76,-1841.39 817.69,-1895.39 584.69,-1987.39 297.69,-2044.39 120.69,-2063.39 -152.62,-2057.39 -349.31,-2027.39 -385.31,-2020.39 -383.31,-2020.39